# KiCad board SawnsProjectAlice.kicad_pcb
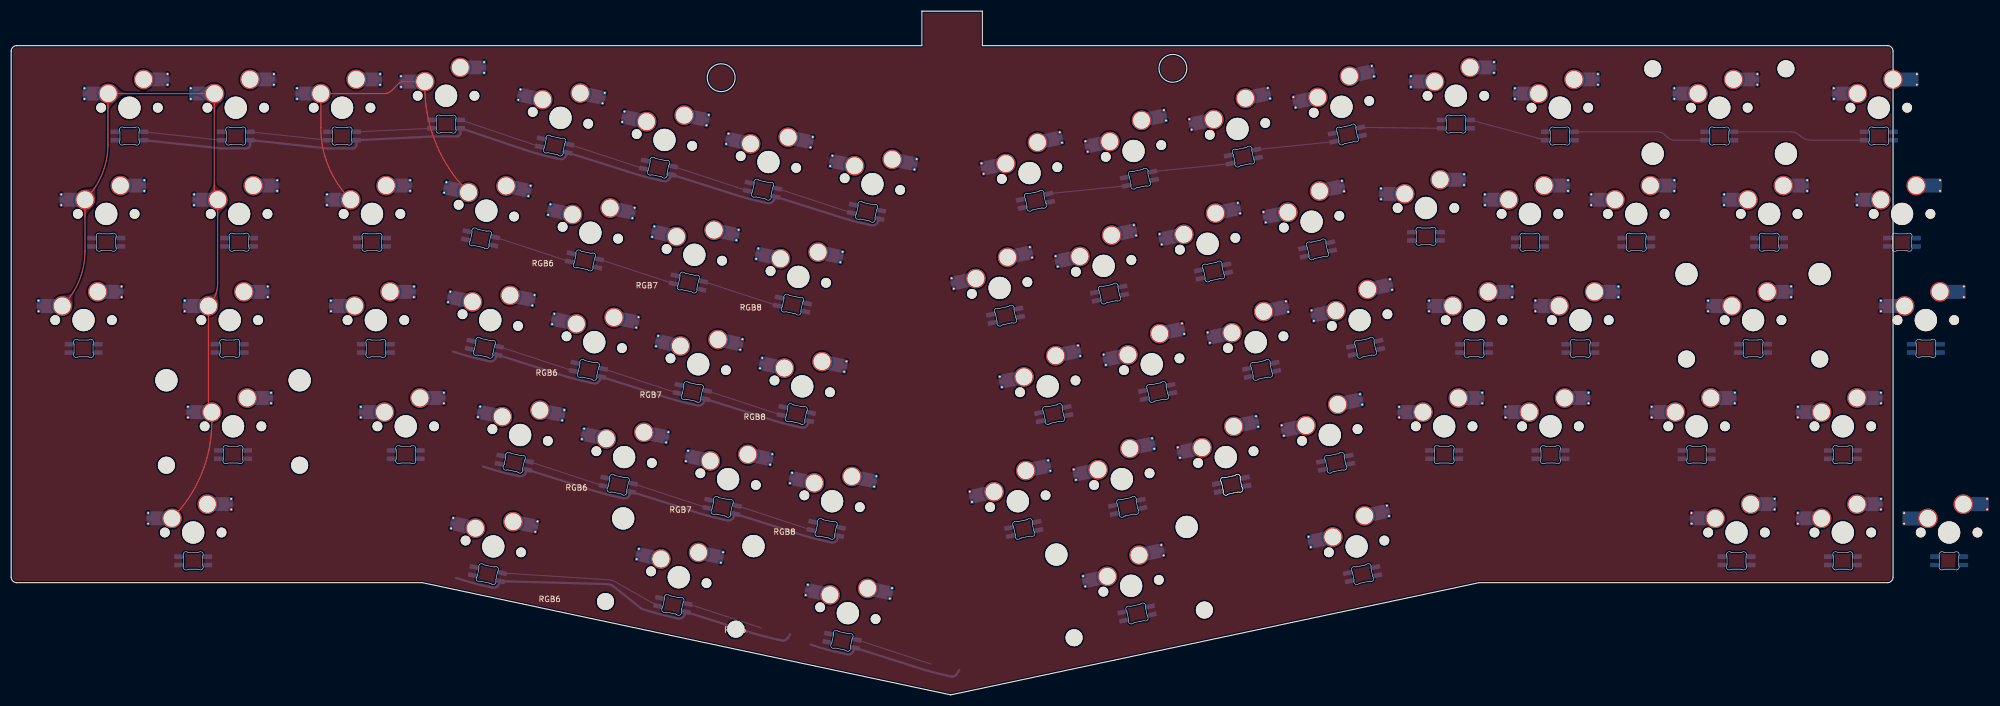
[diagram p0: board, top side]
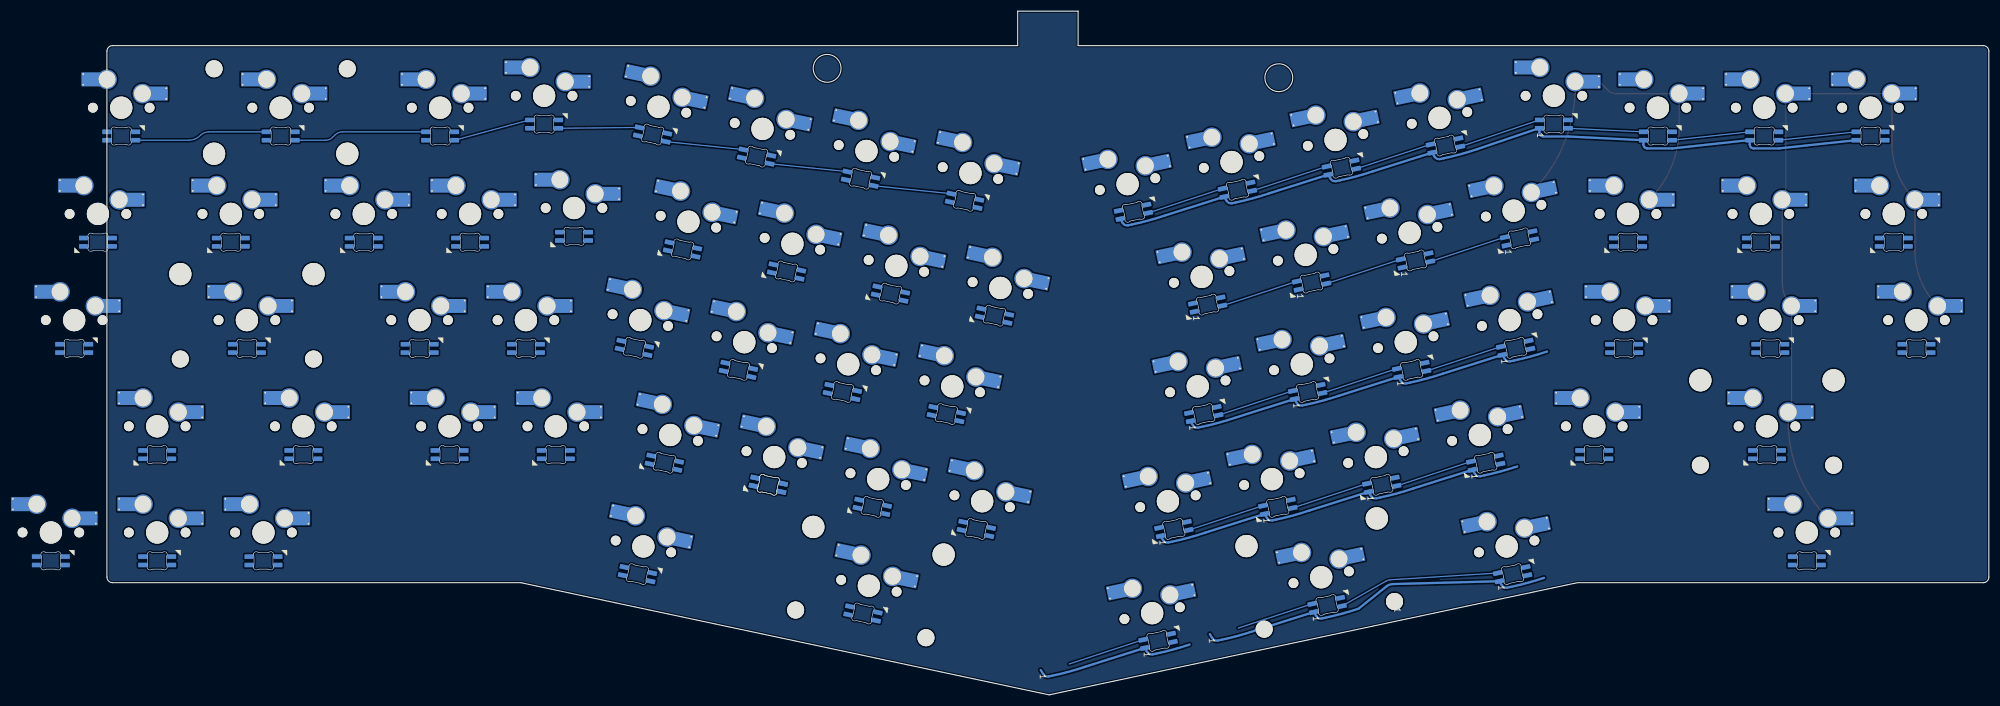
[diagram p1: board, bottom side, seen from below]

Outline 349.04 x 122.65 mm; copper layers: Top, Bottom. Coordinates in mm from the lower left corner of the outline.
Outline path: circle c127.24,110.71 r2.5 ; circle c208.18,112.39 r2.5 ; 0,115.46 arc(0.29,116.17) 1,116.46 163.2,116.46 163.2,122.65 174.04,122.65 174.04,116.46 336.24,116.46 arc(336.95,116.17) 337.24,115.46 337.24,21.12 arc(336.95,20.42) 336.24,20.12 263.05,20.12 168.37,0 73.69,20.12 1,20.12 arc(0.29,20.42) 0,21.12 0,115.46
Stack: Top 0.035mm / dielectric 1.51mm FR4 er 4.5 / Bottom 0.035mm

## Placement (name value [footprint] x y rotation side)
K_0  1U  [MXOnly-1U-Hotswap-Sawns]  238.4 105.48 12 top
K_1  1U  [MXOnly-1U-Hotswap-Sawns]  59.3 105.32 0 top
K_2  1U  [MXOnly-1U-Hotswap-Sawns]  77.94 107.46 0 top
K_3  1U  [MXOnly-1U-Hotswap-Sawns]  98.44 103.5 348 top
K_4  1U  [MXOnly-1U-Hotswap-Sawns]  117.07 99.54 348 top
K_5  1U  [MXOnly-1U-Hotswap-Sawns]  135.71 95.58 348 top
K_6  1U  [MXOnly-1U-Hotswap-Sawns]  154.34 91.62 348 top
K_7  1U  [MXOnly-1U-Hotswap-Sawns]  182.5 93.6 12 top
K_8  1U  [MXOnly-1U-Hotswap-Sawns]  201.13 97.56 12 top
K_9  1U  [MXOnly-1U-Hotswap-Sawns]  219.77 101.52 12 top
K_'1  1U  [MXOnly-1U-Hotswap-Sawns]  281.21 67.22 0 top
K_+1  1U  [MXOnly-1U-Hotswap-Sawns]  277.53 105.32 0 top
K_,1  1U  [MXOnly-1U-Hotswap-Sawns]  217.67 42.65 12 top
K_-_1  1U  [MXOnly-1U-Hotswap-Sawns]  258.9 107.46 0 top
K_.1  1U  [MXOnly-1U-Hotswap-Sawns]  236.3 46.61 12 top
K_/?/1  1U  [MXOnly-1U-Hotswap-Sawns]  256.8 48.17 0 top
K_;1  1U  [MXOnly-1U-Hotswap-Sawns]  262.16 67.22 0 top
K_]}1  1U  [MXOnly-1U-Hotswap-Sawns]  291.22 86.27 0 top
K_`1  1U  [MXOnly-1U-Hotswap-Sawns]  40.25 105.32 0 top
K_A1  1U  [MXOnly-1U-Hotswap-Sawns]  65.36 67.22 0 top
K_Alt1  1.25U  [MXOnly-1.25U-Hotswap-Sawns]  86.4 26.62 348 top
K_B1  1U  [MXOnly-1U-Hotswap-Sawns]  147.11 34.73 348 top
K_BkSp1  2U  [MXOnly-2U-Hotswap-Sawns]  306.11 105.32 0 top
K_C1  1U  [MXOnly-1U-Hotswap-Sawns]  109.84 42.65 348 top
K_CapLk1  MX-1U-MX_Alps_Hybrids  [MXOnly-1.75U-Hotswap-Sawns]  39.16 67.22 0 top
K_D1  1U  [MXOnly-1U-Hotswap-Sawns]  104.49 63.26 348 top
K_Delete2  1U  [MXOnly-1U-Hotswap-Sawns]  334.68 105.32 0 top
K_Down1  1U  [MXOnly-1U-Hotswap-Sawns]  328.24 29.12 0 top
K_E1  1U  [MXOnly-1U-Hotswap-Sawns]  103.79 82.89 348 top
K_Enter1  2.25U  [MXOnly-2.25U-Hotswap-ReversedStabilizers-Sawns]  312.16 67.22 0 top
K_ESC1  1U  [MXOnly-1U-Hotswap-Sawns]  21.2 105.32 0 top
K_ESC2  1U  [MXOnly-1U-Hotswap-Sawns]  338.85 86.27 0 top
K_ESC3  1U  [MXOnly-1U-Hotswap-Sawns]  343.12 67.22 0 top
K_F1  1U  [MXOnly-1U-Hotswap-Sawns]  123.13 59.3 348 top
K_G1  1U  [MXOnly-1U-Hotswap-Sawns]  141.76 55.34 348 top
K_H1  1U  [MXOnly-1U-Hotswap-Sawns]  185.76 55.34 12 top
K_I1  1U  [MXOnly-1U-Hotswap-Sawns]  214.41 80.91 12 top
K_J1  1U  [MXOnly-1U-Hotswap-Sawns]  204.39 59.3 12 top
K_K1  1U  [MXOnly-1U-Hotswap-Sawns]  223.03 63.26 12 top
K_L1  1U  [MXOnly-1U-Hotswap-Sawns]  241.66 67.22 12 top
K_LControl1  1.5U  [MXOnly-1.5U-Hotswap-Sawns]  32.62 29.12 0 top
K_LEFT1  1U  [MXOnly-1U-Hotswap-Sawns]  309.19 29.12 0 top
K_LShift1  MX-1U-MX_Alps_Hybrids  [MXOnly-2.25U-Hotswap-ReversedStabilizers-Sawns]  39.76 48.17 0 top
K_M1  1U  [MXOnly-1U-Hotswap-Sawns]  199.03 38.69 12 top
K_N1  1U  [MXOnly-1U-Hotswap-Sawns]  180.4 34.73 12 top
K_O1  1U  [MXOnly-1U-Hotswap-Sawns]  233.04 84.87 12 top
K_P1  1U  [MXOnly-1U-Hotswap-Sawns]  253.54 87.33 0 top
K_PgDn1  1U  [MXOnly-1U-Hotswap-Sawns]  12.97 67.22 0 top
K_PgUp1  1U  [MXOnly-1U-Hotswap-Sawns]  17.04 86.27 0 top
K_Q1  1U  [MXOnly-1U-Hotswap-Sawns]  64.66 86.27 0 top
K_R1  1U  [MXOnly-1U-Hotswap-Sawns]  122.43 78.93 348 top
K_RIGHT1  1U  [MXOnly-1U-Hotswap-Sawns]  347.29 29.12 0 top
K_RShift1  1.75U  [MXOnly-1.75U-Hotswap-Sawns]  302.04 48.17 0 top
K_RSHIFT3  1U  [MXOnly-1U-Hotswap-Sawns]  275.85 48.17 0 top
K_S1  1U  [MXOnly-1U-Hotswap-Sawns]  85.86 67.22 348 top
K_T1  1U  [MXOnly-1U-Hotswap-Sawns]  141.06 74.97 348 top
K_Tab1  1.5U  [MXOnly-1.5U-Hotswap-Sawns]  40.85 86.27 0 top
K_U1  1U  [MXOnly-1U-Hotswap-Sawns]  195.77 76.95 12 top
K_UP1  1U  [MXOnly-1U-Hotswap-Sawns]  328.24 48.17 0 top
K_V1  1U  [MXOnly-1U-Hotswap-Sawns]  128.48 38.69 348 top
K_W1  1U  [MXOnly-1U-Hotswap-Sawns]  85.16 86.85 348 top
K_X1  1U  [MXOnly-1U-Hotswap-Sawns]  91.21 46.61 348 top
K_Y1  1U  [MXOnly-1U-Hotswap-Sawns]  177.14 72.99 12 top
K_Z1  1U  [MXOnly-1U-Hotswap-Sawns]  70.71 48.17 0 top
K_{[1  1U  [MXOnly-1U-Hotswap-Sawns]  272.17 86.27 0 top
K_|\1  1.5U  [MXOnly-1.5U-Hotswap-Sawns]  315.04 86.27 0 top
MX1  2U  [MXOnly-2U-Hotswap-ReversedStabilizers-Sawns]  119.64 21.1 348 top
MX2  MX-1U-MX_Alps_Hybrids  [MXOnly-1U-Hotswap-Sawns]  149.94 14.66 348 top
MX3  2.75U  [MXOnly-2.75U-Hotswap-ReversedStabilizers-Sawns]  200.7 19.56 12 top
MX4  MX-1U-MX_Alps_Hybrids  [MXOnly-1U-Hotswap-Sawns]  241.11 26.62 12 top
RGB1  SK6812 Mini E  [MX_SK6812MINI-E_REV]  21.2 105.32 0 top
RGB2  SK6812 Mini E  [MX_SK6812MINI-E_REV]  40.25 105.32 0 top
RGB3  SK6812 Mini E  [MX_SK6812MINI-E_REV]  59.3 105.32 0 top
RGB4  SK6812 Mini E  [MX_SK6812MINI-E_REV]  77.94 107.46 0 top
RGB5  SK6812 Mini E  [MX_SK6812MINI-E_REV]  98.44 103.5 348 top
RGB6  SK6812 Mini E  [MX_SK6812MINI-E_REV]  117.07 99.54 348 top
RGB7  SK6812 Mini E  [MX_SK6812MINI-E_REV]  135.71 95.58 348 top
RGB8  SK6812 Mini E  [MX_SK6812MINI-E_REV]  154.34 91.62 348 top
RGB9  SK6812 Mini E  [MX_SK6812MINI-E_REV]  182.5 93.6 12 top
RGB10  SK6812 Mini E  [MX_SK6812MINI-E_REV]  201.13 97.56 12 top
RGB11  SK6812 Mini E  [MX_SK6812MINI-E_REV]  219.77 101.52 12 top
RGB12  SK6812 Mini E  [MX_SK6812MINI-E_REV]  238.4 105.48 12 top
RGB13  SK6812 Mini E  [MX_SK6812MINI-E_REV]  258.9 107.46 0 top
RGB14  SK6812 Mini E  [MX_SK6812MINI-E_REV]  277.53 105.32 0 top
RGB15  SK6812 Mini E  [MX_SK6812MINI-E_REV]  306.11 105.32 0 top
RGB16  SK6812 Mini E  [MX_SK6812MINI-E_REV]  334.68 105.32 0 top
RGB17  SK6812 Mini E  [MX_SK6812MINI-E_REV]  12.97 67.22 0 top
RGB18  SK6812 Mini E  [MX_SK6812MINI-E_REV]  39.16 67.22 0 top
RGB19  SK6812 Mini E  [MX_SK6812MINI-E_REV]  65.36 67.22 0 top
RGB20  SK6812 Mini E  [MX_SK6812MINI-E_REV]  85.86 67.22 348 top
RGB21  SK6812 Mini E  [MX_SK6812MINI-E_REV]  104.49 63.26 348 top
RGB22  SK6812 Mini E  [MX_SK6812MINI-E_REV]  123.13 59.3 348 top
RGB23  SK6812 Mini E  [MX_SK6812MINI-E_REV]  141.76 55.34 348 top
RGB24  SK6812 Mini E  [MX_SK6812MINI-E_REV]  185.76 55.34 12 top
RGB25  SK6812 Mini E  [MX_SK6812MINI-E_REV]  204.39 59.3 12 top
RGB26  SK6812 Mini E  [MX_SK6812MINI-E_REV]  223.03 63.26 12 top
RGB27  SK6812 Mini E  [MX_SK6812MINI-E_REV]  241.66 67.22 12 top
RGB28  SK6812 Mini E  [MX_SK6812MINI-E_REV]  262.16 67.22 0 top
RGB29  SK6812 Mini E  [MX_SK6812MINI-E_REV]  281.21 67.22 0 top
RGB30  SK6812 Mini E  [MX_SK6812MINI-E_REV]  312.16 67.22 0 top
RGB31  SK6812 Mini E  [MX_SK6812MINI-E_REV]  343.12 67.22 0 top
RGB32  SK6812 Mini E  [MX_SK6812MINI-E_REV]  32.62 29.12 0 top
RGB33  SK6812 Mini E  [MX_SK6812MINI-E_REV]  86.4 26.62 348 top
RGB34  SK6812 Mini E  [MX_SK6812MINI-E_REV]  119.64 21.1 348 top
RGB35  SK6812 Mini E  [MX_SK6812MINI-E_REV]  149.94 14.66 348 top
RGB36  SK6812 Mini E  [MX_SK6812MINI-E_REV]  200.7 19.56 12 top
RGB37  SK6812 Mini E  [MX_SK6812MINI-E_REV]  241.11 26.62 12 top
RGB38  SK6812 Mini E  [MX_SK6812MINI-E_REV]  309.19 29.12 0 top
RGB39  SK6812 Mini E  [MX_SK6812MINI-E_REV]  328.24 29.12 0 top
RGB40  SK6812 Mini E  [MX_SK6812MINI-E_REV]  347.29 29.12 0 top
RGBRV1  SK6812 Mini E  [MX_SK6812MINI-E]  338.85 86.27 0 top
RGBRV2  SK6812 Mini E  [MX_SK6812MINI-E]  315.04 86.27 0 top
RGBRV3  SK6812 Mini E  [MX_SK6812MINI-E]  291.22 86.27 0 top
RGBRV4  SK6812 Mini E  [MX_SK6812MINI-E]  272.17 86.27 0 top
RGBRV5  SK6812 Mini E  [MX_SK6812MINI-E]  253.54 87.33 0 top
RGBRV6  SK6812 Mini E  [MX_SK6812MINI-E]  233.04 84.87 12 top
RGBRV7  SK6812 Mini E  [MX_SK6812MINI-E]  214.41 80.91 12 top
RGBRV8  SK6812 Mini E  [MX_SK6812MINI-E]  195.77 76.95 12 top
RGBRV9  SK6812 Mini E  [MX_SK6812MINI-E]  177.14 72.99 12 top
RGBRV10  SK6812 Mini E  [MX_SK6812MINI-E]  141.06 74.97 348 top
RGBRV11  SK6812 Mini E  [MX_SK6812MINI-E]  122.43 78.93 348 top
RGBRV12  SK6812 Mini E  [MX_SK6812MINI-E]  103.79 82.89 348 top
RGBRV13  SK6812 Mini E  [MX_SK6812MINI-E]  85.16 86.85 348 top
RGBRV14  SK6812 Mini E  [MX_SK6812MINI-E]  64.66 86.27 0 top
RGBRV15  SK6812 Mini E  [MX_SK6812MINI-E]  40.85 86.27 0 top
RGBRV16  SK6812 Mini E  [MX_SK6812MINI-E]  17.04 86.27 0 top
RGBRV18  SK6812 Mini E  [MX_SK6812MINI-E]  39.76 48.17 0 top
RGBRV19  SK6812 Mini E  [MX_SK6812MINI-E]  70.71 48.17 0 top
RGBRV20  SK6812 Mini E  [MX_SK6812MINI-E]  91.21 46.61 348 top
RGBRV21  SK6812 Mini E  [MX_SK6812MINI-E]  109.84 42.65 348 top
RGBRV22  SK6812 Mini E  [MX_SK6812MINI-E]  128.48 38.69 348 top
RGBRV23  SK6812 Mini E  [MX_SK6812MINI-E]  147.11 34.73 348 top
RGBRV24  SK6812 Mini E  [MX_SK6812MINI-E]  180.4 34.73 12 top
RGBRV25  SK6812 Mini E  [MX_SK6812MINI-E]  199.03 38.69 12 top
RGBRV26  SK6812 Mini E  [MX_SK6812MINI-E]  217.67 42.65 12 top
RGBRV27  SK6812 Mini E  [MX_SK6812MINI-E]  217.67 42.65 12 top
RGBRV28  SK6812 Mini E  [MX_SK6812MINI-E]  236.3 46.61 12 top
RGBRV29  SK6812 Mini E  [MX_SK6812MINI-E]  256.8 48.17 0 top
RGBRV30  SK6812 Mini E  [MX_SK6812MINI-E]  275.85 48.17 0 top
RGBRV31  SK6812 Mini E  [MX_SK6812MINI-E]  302.04 48.17 0 top
RGBRV32  SK6812 Mini E  [MX_SK6812MINI-E]  328.24 48.17 0 top

## Library data of the parts
RGB1-RGB40 RGBRV1-RGBRV16 RGBRV18-RGBRV32 = -: Field4: 1

## Footprints (pads in the part's own frame, mm; a bottom-side part is the same pattern mirrored in y, then rotated)
MX_SK6812MINI-E
  rrect 1.6x0.82 smd far side: 1(-2.6,-4.33) 2(-2.6,-5.83) 3(2.6,-5.83) 4(2.6,-4.33)
MX_SK6812MINI-E_REV
  rrect 1.6x0.82 smd far side: 1(2.6,-5.83) 2(2.6,-4.33) 3(-2.6,-4.33) 4(-2.6,-5.83)
MXOnly-1.5U-Hotswap-Sawns
  rect 2.55x2.5 smd: (-7.085,2.54) (5.842,5.08)
  round 1.75 hole 1.75 unplated: (-5.08,0) (5.08,0)
  round 3.988 hole 3.988 unplated: (0,0)
  round 0.5 hole 0.3: 1(-8.065,3.493) 1(-8.065,1.587) 2(6.822,6.032) 2(6.822,4.128)
  rect 3.82x2.5 smd far side: 1(-6.45,2.54) 2(5.207,5.08)
  round 3.5 hole 3: 1(-3.81,2.54) 2(2.54,5.08)
MXOnly-1.25U-Hotswap-Sawns
  rect 2.55x2.5 smd: (-7.085,2.54) (5.842,5.08)
  round 1.75 hole 1.75 unplated: (-5.08,0) (5.08,0)
  round 3.988 hole 3.988 unplated: (0,0)
  round 0.5 hole 0.3: 1(-8.065,3.493) 1(-8.065,1.587) 2(6.822,6.032) 2(6.822,4.128)
  rect 3.82x2.5 smd far side: 1(-6.45,2.54) 2(5.207,5.08)
  round 3.5 hole 3: 1(-3.81,2.54) 2(2.54,5.08)
MXOnly-1.75U-Hotswap-Sawns
  rect 2.55x2.5 smd: (-7.085,2.54) (5.842,5.08)
  round 1.75 hole 1.75 unplated: (-5.08,0) (5.08,0)
  round 3.988 hole 3.988 unplated: (0,0)
  round 0.5 hole 0.3: 1(-8.065,3.493) 1(-8.065,1.587) 2(6.822,6.032) 2(6.822,4.128)
  rect 3.82x2.5 smd far side: 1(-6.45,2.54) 2(5.207,5.08)
  round 3.5 hole 3: 1(-3.81,2.54) 2(2.54,5.08)
MXOnly-1U-Hotswap-Sawns
  rect 2.55x2.5 smd: (-7.085,2.54) (5.842,5.08)
  round 1.75 hole 1.75 unplated: (-5.08,0) (5.08,0)
  round 3.988 hole 3.988 unplated: (0,0)
  round 0.5 hole 0.3: 1(-8.065,3.493) 1(-8.065,1.587) 2(6.822,6.032) 2(6.822,4.128)
  rect 3.82x2.5 smd far side: 1(-6.45,2.54) 2(5.207,5.08)
  round 3.5 hole 3: 1(-3.81,2.54) 2(2.54,5.08)
MXOnly-2.25U-Hotswap-ReversedStabilizers-Sawns
  round 3.988 hole 3.988 unplated: (-11.938,8.255) (0,0) (11.938,8.255)
  round 3.048 hole 3.048 unplated: (-11.938,-6.985) (11.938,-6.985)
  rect 2.55x2.5 smd: (-7.085,2.54) (5.842,5.08)
  round 1.75 hole 1.75 unplated: (-5.08,0) (5.08,0)
  round 0.5 hole 0.3: 1(-8.065,3.493) 1(-8.065,1.587) 2(6.822,6.032) 2(6.822,4.128)
  rect 3.82x2.5 smd far side: 1(-6.45,2.54) 2(5.207,5.08)
  round 3.5 hole 3: 1(-3.81,2.54) 2(2.54,5.08)
MXOnly-2.75U-Hotswap-ReversedStabilizers-Sawns
  round 3.988 hole 3.988 unplated: (-11.938,8.255) (0,0) (11.938,8.255)
  round 3.048 hole 3.048 unplated: (-11.938,-6.985) (11.938,-6.985)
  rect 2.55x2.5 smd: (-7.085,2.54) (5.842,5.08)
  round 1.75 hole 1.75 unplated: (-5.08,0) (5.08,0)
  round 0.5 hole 0.3: 1(-8.065,3.493) 1(-8.065,1.587) 2(6.822,6.032) 2(6.822,4.128)
  rect 3.82x2.5 smd far side: 1(-6.45,2.54) 2(5.207,5.08)
  round 3.5 hole 3: 1(-3.81,2.54) 2(2.54,5.08)
MXOnly-2U-Hotswap-ReversedStabilizers-Sawns
  round 3.988 hole 3.988 unplated: (-11.938,8.255) (0,0) (11.938,8.255)
  round 3.048 hole 3.048 unplated: (-11.938,-6.985) (11.938,-6.985)
  rect 2.55x2.5 smd: (-7.085,2.54) (5.842,5.08)
  round 1.75 hole 1.75 unplated: (-5.08,0) (5.08,0)
  round 0.5 hole 0.3: 1(-8.065,3.493) 1(-8.065,1.587) 2(6.822,6.032) 2(6.822,4.128)
  rect 3.82x2.5 smd far side: 1(-6.45,2.54) 2(5.207,5.08)
  round 3.5 hole 3: 1(-3.81,2.54) 2(2.54,5.08)
MXOnly-2U-Hotswap-Sawns
  round 3.048 hole 3.048 unplated: (-11.938,6.985) (11.938,6.985)
  round 3.988 hole 3.988 unplated: (-11.938,-8.255) (0,0) (11.938,-8.255)
  rect 2.55x2.5 smd: (-7.085,2.54) (5.842,5.08)
  round 1.75 hole 1.75 unplated: (-5.08,0) (5.08,0)
  round 0.5 hole 0.3: 1(-8.065,3.493) 1(-8.065,1.587) 2(6.822,6.032) 2(6.822,4.128)
  rect 3.82x2.5 smd far side: 1(-6.45,2.54) 2(5.207,5.08)
  round 3.5 hole 3: 1(-3.81,2.54) 2(2.54,5.08)

## Nets
+5V: RGB1.1 RGB2.1 RGB3.1 RGB4.1 RGB5.1 RGB6.1 RGB7.1 RGB8.1 RGB9.1 RGB10.1 RGB11.1 RGB12.1 RGB13.1 RGB14.1 RGB15.1 RGB16.1 RGB17.1 RGB18.1 RGB19.1 RGB20.1 RGB21.1 RGB22.1 RGB23.1 RGB24.1 RGB25.1 RGB26.1 RGB27.1 RGB28.1 RGB29.1 RGB30.1 RGB31.1 RGB32.1 RGB33.1 RGB34.1 RGB35.1 RGB36.1 RGB37.1 RGB38.1 RGB39.1 RGB40.1 RGBRV1.1 RGBRV2.1 RGBRV3.1 RGBRV4.1 RGBRV5.1 RGBRV6.1 RGBRV7.1 RGBRV8.1 RGBRV9.1 RGBRV10.1 RGBRV11.1 RGBRV12.1 RGBRV13.1 RGBRV14.1 RGBRV15.1 RGBRV16.1 RGBRV18.1 RGBRV19.1 RGBRV20.1 RGBRV21.1 RGBRV22.1 RGBRV23.1 RGBRV24.1 RGBRV25.1 RGBRV26.1 RGBRV27.1 RGBRV28.1 RGBRV29.1 RGBRV30.1 RGBRV31.1 RGBRV32.1
GND: RGB1.3 RGB2.3 RGB3.3 RGB4.3 RGB5.3 RGB6.3 RGB7.3 RGB8.3 RGB9.3 RGB10.3 RGB11.3 RGB12.3 RGB13.3 RGB14.3 RGB15.3 RGB16.3 RGB17.3 RGB18.3 RGB19.3 RGB20.3 RGB21.3 RGB22.3 RGB23.3 RGB24.3 RGB25.3 RGB26.3 RGB27.3 RGB28.3 RGB29.3 RGB30.3 RGB31.3 RGB32.3 RGB33.3 RGB34.3 RGB35.3 RGB36.3 RGB37.3 RGB38.3 RGB39.3 RGB40.3 RGBRV1.3 RGBRV2.3 RGBRV3.3 RGBRV4.3 RGBRV5.3 RGBRV6.3 RGBRV7.3 RGBRV8.3 RGBRV9.3 RGBRV10.3 RGBRV11.3 RGBRV12.3 RGBRV13.3 RGBRV14.3 RGBRV15.3 RGBRV16.3 RGBRV18.3 RGBRV19.3 RGBRV20.3 RGBRV21.3 RGBRV22.3 RGBRV23.3 RGBRV24.3 RGBRV25.3 RGBRV26.3 RGBRV27.3 RGBRV28.3 RGBRV29.3 RGBRV30.3 RGBRV31.3 RGBRV32.3
Net-(D1-Pad2): K_PgUp1.2
Net-(D2-Pad2): K_`1.2
Net-(D3-Pad2): K_ESC1.2
Net-(D5-Pad2): K_1.2
Net-(D6-Pad2): K_Tab1.2
Net-(D7-Pad2): K_CapLk1.2
Net-(D8-Pad2): K_LShift1.2
Net-(D9-Pad2): K_LControl1.2
Net-(D10-Pad2): K_2.2
Net-(D11-Pad2): K_Q1.2
Net-(D12-Pad2): K_A1.2
Net-(D13-Pad2): K_Z1.2
Net-(D14-Pad2): K_Delete2.2
Net-(D15-Pad2): K_3.2
Net-(D16-Pad2): K_W1.2
Net-(D17-Pad2): K_S1.2
Net-(D18-Pad2): K_X1.2
Net-(D19-Pad2): K_Alt1.2
Net-(D20-Pad2): K_4.2
Net-(D21-Pad2): K_E1.2
Net-(D22-Pad2): K_D1.2
Net-(D23-Pad2): K_C1.2
Net-(D24-Pad2): MX1.2
Net-(D25-Pad2): K_5.2
Net-(D26-Pad2): K_R1.2
Net-(D27-Pad2): K_F1.2
Net-(D28-Pad2): K_V1.2
Net-(D29-Pad2): MX2.2
Net-(D30-Pad2): K_6.2
Net-(D31-Pad2): K_T1.2
Net-(D32-Pad2): K_G1.2
Net-(D33-Pad2): K_B1.2
Net-(D34-Pad2): K_7.2
Net-(D35-Pad2): K_Y1.2
Net-(D36-Pad2): K_H1.2
Net-(D37-Pad2): K_N1.2
Net-(D38-Pad2): K_8.2
Net-(D39-Pad2): K_U1.2
Net-(D40-Pad2): K_J1.2
Net-(D41-Pad2): K_M1.2
Net-(D42-Pad2): MX3.2
Net-(D43-Pad2): K_9.2
Net-(D44-Pad2): K_I1.2
Net-(D45-Pad2): K_K1.2
Net-(D46-Pad2): K_,1.2
Net-(D47-Pad2): K_0.2
Net-(D48-Pad2): K_O1.2
Net-(D49-Pad2): K_L1.2
Net-(D50-Pad2): K_.1.2
Net-(D51-Pad2): MX4.2
Net-(D52-Pad2): K_-_1.2
Net-(D53-Pad2): K_P1.2
Net-(D54-Pad2): K_;1.2
Net-(D55-Pad2): K_/?/1.2
Net-(D56-Pad2): K_+1.2
Net-(D57-Pad2): K_{[1.2
Net-(D58-Pad2): K_'1.2
Net-(D59-Pad2): K_RSHIFT3.2
Net-(D60-Pad2): K_BkSp1.2
Net-(D61-Pad2): K_]}1.2
Net-(D63-Pad2): K_RShift1.2
Net-(D64-Pad2): K_ESC3.2
Net-(D65-Pad2): K_|\1.2
Net-(D66-Pad2): K_Enter1.2
Net-(D67-Pad2): K_UP1.2
Net-(D68-Pad2): K_Down1.2
Net-(D69-Pad2): K_LEFT1.2
Net-(D70-Pad2): K_RIGHT1.2
Net-(K_1-Pad1): K_1.1 K_2.1 K_A1.1 K_Alt1.1 K_Q1.1 K_S1.1 K_W1.1 K_X1.1 K_Z1.1
Net-(K_3-Pad1): K_3.1 K_4.1 K_C1.1 K_D1.1 K_E1.1 K_F1.1 K_R1.1 K_V1.1 MX1.1
Net-(K_5-Pad1): K_5.1 K_6.1 K_B1.1 K_G1.1 K_H1.1 K_N1.1 K_T1.1 K_Y1.1 MX2.1
Net-(K_'1-Pad1): K_'1.1 K_+1.1 K_-_1.1 K_]}1.1 K_RShift1.1 K_RSHIFT3.1 K_{[1.1
Net-(K_,1-Pad1): K_7.1 K_8.1 K_,1.1 K_I1.1 K_J1.1 K_K1.1 K_M1.1 K_U1.1 MX3.1
Net-(K_.1-Pad1): K_0.1 K_9.1 K_.1.1 K_/?/1.1 K_;1.1 K_L1.1 K_O1.1 K_P1.1 MX4.1
Net-(K_BkSp1-Pad1): K_BkSp1.1 K_Delete2.1 K_Down1.1 K_Enter1.1 K_ESC2.1 K_ESC3.1 K_LEFT1.1 K_RIGHT1.1 K_UP1.1 K_|\1.1
Net-(K_CapLk1-Pad1): K_`1.1 K_CapLk1.1 K_ESC1.1 K_LControl1.1 K_LShift1.1 K_PgDn1.1 K_PgUp1.1 K_Tab1.1
Net-(RGB1-Pad2): RGB1.2 RGB2.4
Net-(RGB2-Pad2): RGB2.2 RGB3.4
Net-(RGB3-Pad2): RGB3.2 RGB4.4
Net-(RGB4-Pad2): RGB4.2 RGB5.4
Net-(RGB5-Pad2): RGB5.2 RGB6.4
Net-(RGB6-Pad2): RGB6.2 RGB7.4
Net-(RGB7-Pad2): RGB7.2 RGB8.4
Net-(RGB8-Pad2): RGB8.2 RGB9.4
Net-(RGB10-Pad2): RGB10.2 RGB11.4
Net-(RGB10-Pad4): RGB9.2 RGB10.4
Net-(RGB11-Pad2): RGB11.2 RGB12.4
Net-(RGB12-Pad2): RGB12.2 RGB13.4
Net-(RGB13-Pad2): RGB13.2 RGB14.4
Net-(RGB14-Pad2): RGB14.2 RGB15.4
Net-(RGB15-Pad2): RGB15.2 RGB16.4
Net-(RGB17-Pad2): RGB17.2 RGB18.4
Net-(RGB17-Pad4): RGB17.4 RGBRV16.2
Net-(RGB18-Pad2): RGB18.2 RGB19.4
Net-(RGB19-Pad2): RGB19.2 RGB20.4
Net-(RGB20-Pad2): RGB20.2 RGB21.4
Net-(RGB21-Pad2): RGB21.2 RGB22.4
Net-(RGB22-Pad2): RGB22.2 RGB23.4
Net-(RGB23-Pad2): RGB23.2 RGB24.4
Net-(RGB24-Pad2): RGB24.2 RGB25.4
Net-(RGB25-Pad2): RGB25.2 RGB26.4
Net-(RGB26-Pad2): RGB26.2 RGB27.4
Net-(RGB27-Pad2): RGB27.2 RGB28.4
Net-(RGB28-Pad2): RGB28.2 RGB29.4
Net-(RGB29-Pad2): RGB29.2 RGB30.4
Net-(RGB30-Pad2): RGB30.2 RGB31.4
Net-(RGB31-Pad2): RGB31.2 RGBRV32.4
Net-(RGB32-Pad2): RGB32.2 RGB33.4
Net-(RGB32-Pad4): RGB32.4 RGBRV18.2
Net-(RGB33-Pad2): RGB33.2 RGB34.4
Net-(RGB34-Pad2): RGB34.2 RGB35.4
Net-(RGB35-Pad2): RGB35.2 RGB36.4
Net-(RGB36-Pad2): RGB36.2 RGB37.4
Net-(RGB37-Pad2): RGB37.2 RGB38.4
Net-(RGB38-Pad2): RGB38.2 RGB39.4
Net-(RGB39-Pad2): RGB39.2 RGB40.4
Net-(RGBRV1-Pad2): RGBRV1.2 RGBRV2.4
Net-(RGBRV1-Pad4): RGB16.2 RGBRV1.4
Net-(RGBRV2-Pad2): RGBRV2.2 RGBRV3.4
Net-(RGBRV3-Pad2): RGBRV3.2 RGBRV4.4
Net-(RGBRV4-Pad2): RGBRV4.2 RGBRV5.4
Net-(RGBRV5-Pad2): RGBRV5.2 RGBRV6.4
Net-(RGBRV6-Pad2): RGBRV6.2 RGBRV7.4
Net-(RGBRV7-Pad2): RGBRV7.2 RGBRV8.4
Net-(RGBRV8-Pad2): RGBRV8.2 RGBRV9.4
Net-(RGBRV10-Pad2): RGBRV10.2 RGBRV11.4
Net-(RGBRV10-Pad4): RGBRV9.2 RGBRV10.4
Net-(RGBRV11-Pad2): RGBRV11.2 RGBRV12.4
Net-(RGBRV12-Pad2): RGBRV12.2 RGBRV13.4
Net-(RGBRV13-Pad2): RGBRV13.2 RGBRV14.4
Net-(RGBRV14-Pad2): RGBRV14.2 RGBRV15.4
Net-(RGBRV15-Pad2): RGBRV15.2 RGBRV16.4
Net-(RGBRV18-Pad4): RGBRV18.4 RGBRV19.2
Net-(RGBRV19-Pad4): RGBRV19.4 RGBRV20.2
Net-(RGBRV20-Pad4): RGBRV20.4 RGBRV21.2
Net-(RGBRV21-Pad4): RGBRV21.4 RGBRV22.2
Net-(RGBRV22-Pad4): RGBRV22.4 RGBRV23.2
Net-(RGBRV23-Pad4): RGBRV23.4 RGBRV24.2
Net-(RGBRV24-Pad4): RGBRV24.4 RGBRV25.2
Net-(RGBRV25-Pad4): RGBRV25.4 RGBRV26.2
Net-(RGBRV26-Pad4): RGBRV26.4 RGBRV27.2
Net-(RGBRV27-Pad4): RGBRV27.4 RGBRV28.2
Net-(RGBRV28-Pad4): RGBRV28.4 RGBRV29.2
Net-(RGBRV29-Pad4): RGBRV29.4 RGBRV30.2
Net-(RGBRV30-Pad4): RGBRV30.4 RGBRV31.2
Net-(RGBRV31-Pad4): RGBRV31.4 RGBRV32.2

Pads without a net: K_ESC2 2; K_PgDn1 2; RGB1 4; RGB40 2

## Routing (per net, layer and track width the routed paths; a pad name or vN(x,y) marks a point on that pad's centre or on a via; arc(x,y) is an arc through that point)
+5V: length 302.8
  Bottom w0.4: RGB1.1 37.64,98.02 42.16,98.02 arc(42.42,98.07) 42.64,98.22 arc(42.8,98.45) 42.85,98.72 RGB2.1 ; RGB23.1 142.63,48.35 arc(142.22,48) 141.68,47.94 141.03,48.08 arc(138.02,48.8) 135.07,49.7 RGB22.1 124,52.31 arc(123.58,51.96) 123.04,51.9 122.39,52.04 arc(119.39,52.76) 116.44,53.67 RGB21.1 105.36,56.27 arc(104.95,55.92) 104.41,55.87 103.76,56 arc(100.76,56.72) 97.8,57.63 RGB20.1 86.73,60.23 arc(86.32,59.88) 85.78,59.83 85.13,59.96 arc(82.12,60.68) 79.17,61.59 ; 169.9,4.45 169.44,3.71 arc(169.03,3.35) 168.49,3.3 167.83,3.43 arc(164.83,4.16) 161.88,5.06 RGB35.1 150.8,7.67 arc(150.39,7.31) 149.85,7.26 149.2,7.39 arc(146.2,8.12) 143.25,9.02 ; 139.6,10.89 139.14,10.15 arc(138.73,9.79) 138.19,9.74 137.54,9.87 arc(134.54,10.6) 131.58,11.5 RGB34.1 120.51,14.11 arc(120.09,13.75) 119.55,13.7 118.9,13.83 arc(115.9,14.56) 112.95,15.46 107.96,19.44 arc(107.4,19.75) 106.77,19.87 RGB33.1 87.27,19.63 arc(86.86,19.28) 86.32,19.23 85.67,19.36 arc(82.66,20.08) 79.71,20.99 ; RGB4.1 80.54,100.86 arc(80.49,100.59) 80.33,100.36 arc(80.11,100.21) 79.85,100.16 75.33,100.16 RGB3.1 61.9,98.72 arc(61.85,98.45) 61.69,98.22 arc(61.47,98.07) 61.21,98.02 56.69,98.02 42.84,99.52 ; 80.53,101.67 91.75,97.87 arc(94.7,96.96) 97.71,96.24 98.36,96.11 arc(98.9,96.16) 99.31,96.51 RGB5.1 110.38,93.91 arc(113.34,93) 116.34,92.28 116.99,92.15 arc(117.53,92.2) 117.94,92.55 RGB6.1 129.02,89.95 arc(131.97,89.04) 134.97,88.32 135.62,88.18 arc(136.16,88.24) 136.58,88.59 RGB7.1 147.65,85.98 arc(150.6,85.08) 153.61,84.36 154.26,84.22 arc(154.8,84.28) 155.21,84.63 RGB8.1
GND: length 68.7
  Bottom w0.4: RGBRV23.3 147.98,27.74 arc(147.57,27.39) 147.03,27.33 146.38,27.47 arc(143.37,28.19) 140.42,29.09 RGBRV22.3 129.35,31.7 arc(128.93,31.35) 128.39,31.29 127.74,31.43 arc(124.74,32.15) 121.79,33.06 RGBRV21.3 110.71,35.66 arc(110.3,35.31) 109.76,35.26 109.11,35.39 arc(106.11,36.11) 103.15,37.02 RGBRV20.3 92.08,39.62 arc(91.67,39.27) 91.13,39.22 90.48,39.35 arc(87.47,40.07) 84.52,40.98
Net-(K_1-Pad1): length 61.8
  Top w0.2: K_W1.1 arc(76.17,98.81) 74.13,109.04 K_2.1 70.25,110 arc(69.82,109.92) 69.45,109.67 68.19,108.41 arc(67.58,108.01) 66.88,107.86 K_1.1 55.49,101.75 arc(56.88,94.75) K_Q1.1
Net-(K_CapLk1-Pad1): length 138.3
  Top w0.2: K_PgDn1.1 arc(12.17,74.27) 13.23,79.59 K_PgUp1.1 arc(16.28,93.37) 17.34,98.75 17.34,107.82 K_ESC1.1 K_`1.1 36.39,107.82 36.39,90.37 arc(36.56,89.53) K_Tab1.1 36.99,88.77 36.99,73.73 arc(36.57,71.58) K_CapLk1.1 35.35,52.16 arc(35.51,51.38) K_LShift1.1 35.95,48.9 arc(34.09,39.57) K_LControl1.1
Net-(RGB1-Pad2): length 13.9
  Bottom w0.2: RGB1.2 RGB2.4
Net-(RGB2-Pad2): length 13.9
  Bottom w0.2: RGB2.2 RGB3.4
Net-(RGB3-Pad2): length 13.5
  Bottom w0.2: RGB3.2 RGB4.4
Net-(RGB4-Pad2): length 14.9
  Bottom w0.2: RGB4.2 RGB5.4
Net-(RGB5-Pad2): length 13.9
  Bottom w0.2: RGB5.2 RGB6.4
Net-(RGB6-Pad2): length 13.9
  Bottom w0.2: RGB6.2 RGB7.4
Net-(RGB7-Pad2): length 13.9
  Bottom w0.2: RGB7.2 RGB8.4
Net-(RGB10-Pad2): length 13.9
  Bottom w0.2: RGB10.2 RGB11.4
Net-(RGB10-Pad4): length 13.9
  Bottom w0.2: RGB9.2 RGB10.4
Net-(RGB11-Pad2): length 13.9
  Bottom w0.2: RGB11.2 RGB12.4
Net-(RGB12-Pad2): length 14.5
  Bottom w0.2: RGB12.2 RGB13.4
Net-(RGB13-Pad2): length 13.9
  Bottom w0.2: RGB13.2 RGB14.4
Net-(RGB14-Pad2): length 23.8
  Bottom w0.2: RGB14.2 295.01,100.99 arc(295.76,100.85) 296.39,100.43 296.79,100.03 arc(297.38,99.63) 298.07,99.49 RGB15.4
Net-(RGB15-Pad2): length 23.8
  Bottom w0.2: RGB16.4 322.61,99.49 arc(321.46,99.72) 320.49,100.37 arc(319.8,100.83) 318.98,100.99 RGB15.2
Net-(RGB20-Pad2): length 13.9
  Bottom w0.2: RGB20.2 RGB21.4
Net-(RGB21-Pad2): length 13.9
  Bottom w0.2: RGB21.2 RGB22.4
Net-(RGB22-Pad2): length 13.9
  Bottom w0.2: RGB22.2 RGB23.4
Net-(RGB33-Pad2): length 29.1
  Bottom w0.2: RGB34.4 108.07,20.38 arc(107.65,20.56) 107.21,20.64 RGB33.2
Net-(RGB34-Pad2): length 13.9
  Bottom w0.2: RGB34.2 134.52,11.97
Net-(RGB35-Pad2): length 13.9
  Bottom w0.2: RGB35.2 164.81,5.53
Net-(RGBRV10-Pad2): length 13.9
  Bottom w0.2: RGBRV11.4 RGBRV10.2
Net-(RGBRV11-Pad2): length 13.9
  Bottom w0.2: RGBRV12.4 RGBRV11.2
Net-(RGBRV12-Pad2): length 13.9
  Bottom w0.2: RGBRV13.4 RGBRV12.2
Net-(RGBRV20-Pad4): length 13.9
  Bottom w0.2: RGBRV20.4 RGBRV21.2
Net-(RGBRV21-Pad4): length 13.9
  Bottom w0.2: RGBRV21.4 RGBRV22.2
Net-(RGBRV22-Pad4): length 13.9
  Bottom w0.2: RGBRV22.4 RGBRV23.2

## Copper pours and planes (outline as drawn; the poured copper is in the pictures)
(no net) on Top: 347.01,-7.59 -7.02,-4.57 -14.98,127.07 353.22,129.82
(no net) on Bottom: 355.93,22.74 146.52,-23.74 -58,1.21 -12.99,125.98 344.68,126.95
Net-(K_CapLk1-Pad1) on Top: 17.44,104.36 17.45,104.54 17.47,104.71 17.49,104.87 17.52,105.02 17.57,105.15 17.62,105.27 17.67,105.39 17.73,105.49 17.8,105.59 17.87,105.68 17.95,105.77 18.03,105.85 18.11,105.93 18.19,106.01 18.36,106.17 18.44,106.24 18.52,106.32 18.6,106.41 18.68,106.49 18.75,106.59 18.82,106.68 18.89,106.79 18.94,106.9 19,107.03 19.04,107.16 19.08,107.31 19.11,107.46 19.13,107.63 19.14,107.82 17.41,108.74 15.64,107.86 15.65,107.68 15.66,107.51 15.68,107.35 15.72,107.2 15.76,107.07 15.81,106.94 15.86,106.83 15.92,106.72 15.99,106.62 16.06,106.53 16.13,106.44 16.2,106.35 16.28,106.27 16.36,106.19 16.52,106.03 16.6,105.95 16.68,105.87 16.76,105.79 16.83,105.7 16.9,105.6 16.96,105.5 17.02,105.39 17.08,105.28 17.13,105.15 17.17,105.02 17.2,104.87 17.22,104.72 17.24,104.54 17.24,104.36
Net-(K_CapLk1-Pad1) on Top: 36.29,92.19 36.29,92.02 36.28,91.86 36.27,91.72 36.25,91.58 36.22,91.45 36.19,91.33 36.16,91.22 36.12,91.12 36.08,91.02 36.03,90.93 35.99,90.84 35.94,90.75 35.89,90.67 35.69,90.34 35.64,90.26 35.6,90.17 35.55,90.08 35.51,89.99 35.47,89.89 35.43,89.78 35.39,89.67 35.36,89.55 35.34,89.43 35.32,89.29 35.3,89.14 35.29,88.98 35.29,88.81 37.36,88 38.67,89.46 38.6,89.61 38.53,89.76 38.45,89.88 38.37,90 38.28,90.1 38.19,90.2 38.1,90.29 38.01,90.36 37.91,90.44 37.82,90.5 37.72,90.56 37.62,90.62 37.53,90.67 37.34,90.78 37.25,90.83 37.16,90.89 37.07,90.94 36.99,91 36.91,91.07 36.84,91.14 36.77,91.22 36.71,91.3 36.66,91.39 36.61,91.5 36.57,91.61 36.54,91.74 36.51,91.87 36.5,92.03 36.49,92.19
Net-(K_CapLk1-Pad1) on Top: 11.21,72.57 11.12,72.42 11.02,72.29 10.92,72.17 10.82,72.07 10.72,71.99 10.62,71.92 10.51,71.86 10.41,71.81 10.3,71.77 10.19,71.74 10.08,71.72 9.97,71.7 9.86,71.69 9.75,71.68 9.41,71.66 9.29,71.65 9.18,71.63 9.06,71.62 8.94,71.59 8.82,71.56 8.7,71.53 8.58,71.48 8.46,71.42 8.34,71.35 8.22,71.27 8.09,71.17 7.97,71.05 7.85,70.92 8.58,69.11 10.67,68.87 10.75,69.03 10.83,69.18 10.89,69.32 10.94,69.45 10.98,69.58 11.01,69.7 11.03,69.82 11.05,69.94 11.06,70.05 11.06,70.16 11.06,70.26 11.05,70.37 11.05,70.47 11.01,70.88 11,70.98 10.99,71.08 10.99,71.19 10.99,71.3 11,71.41 11.02,71.52 11.04,71.64 11.07,71.77 11.11,71.9 11.16,72.03 11.22,72.17 11.3,72.32 11.38,72.47
Net-(K_CapLk1-Pad1) on Top: 13.33,85.32 13.34,85.51 13.35,85.68 13.38,85.84 13.41,85.98 13.45,86.12 13.5,86.24 13.56,86.36 13.62,86.46 13.69,86.56 13.76,86.66 13.83,86.75 13.91,86.83 13.99,86.91 14.07,86.99 14.24,87.15 14.32,87.23 14.4,87.31 14.48,87.39 14.55,87.48 14.62,87.57 14.69,87.67 14.75,87.78 14.81,87.9 14.86,88.02 14.9,88.15 14.93,88.3 14.96,88.46 14.97,88.63 14.98,88.81 13.23,89.69 11.48,88.81 11.49,88.63 11.5,88.46 11.53,88.3 11.56,88.15 11.6,88.02 11.65,87.9 11.71,87.78 11.77,87.67 11.84,87.57 11.91,87.48 11.98,87.39 12.06,87.31 12.14,87.23 12.22,87.15 12.39,86.99 12.47,86.91 12.55,86.83 12.63,86.75 12.7,86.66 12.77,86.56 12.84,86.46 12.9,86.36 12.96,86.24 13.01,86.12 13.05,85.98 13.08,85.84 13.11,85.68 13.12,85.51 13.13,85.32
Net-(K_CapLk1-Pad1) on Top: 20.88,107.96 20.69,107.97 20.52,107.99 20.37,108.01 20.22,108.04 20.09,108.09 19.96,108.14 19.85,108.19 19.74,108.25 19.64,108.32 19.55,108.39 19.46,108.47 19.37,108.55 19.29,108.63 19.21,108.71 19.06,108.87 18.98,108.95 18.9,109.03 18.81,109.11 18.72,109.19 18.63,109.26 18.53,109.32 18.42,109.39 18.31,109.44 18.18,109.49 18.05,109.53 17.9,109.57 17.75,109.59 17.58,109.61 17.39,109.61 16.51,107.86 17.39,106.11 17.58,106.12 17.75,106.14 17.9,106.16 18.05,106.19 18.18,106.24 18.31,106.29 18.42,106.34 18.53,106.4 18.63,106.47 18.72,106.54 18.81,106.62 18.9,106.7 18.98,106.78 19.06,106.86 19.21,107.02 19.29,107.1 19.37,107.18 19.46,107.26 19.55,107.34 19.64,107.41 19.74,107.47 19.85,107.54 19.96,107.59 20.09,107.64 20.22,107.68 20.37,107.72 20.52,107.74 20.69,107.76 20.88,107.76
Net-(K_CapLk1-Pad1) on Top: 37.09,85.31 37.1,85.49 37.12,85.66 37.14,85.82 37.17,85.97 37.22,86.1 37.27,86.22 37.32,86.34 37.38,86.44 37.45,86.54 37.52,86.63 37.6,86.72 37.68,86.8 37.76,86.88 37.84,86.96 38.01,87.12 38.09,87.19 38.17,87.27 38.25,87.36 38.33,87.44 38.4,87.54 38.47,87.63 38.54,87.74 38.59,87.85 38.65,87.98 38.69,88.11 38.73,88.26 38.76,88.41 38.78,88.58 38.79,88.77 37.06,89.69 35.29,88.81 35.3,88.63 35.31,88.46 35.33,88.3 35.37,88.15 35.41,88.02 35.46,87.89 35.51,87.78 35.57,87.67 35.64,87.57 35.71,87.48 35.78,87.39 35.85,87.3 35.93,87.22 36.01,87.14 36.17,86.98 36.25,86.9 36.33,86.82 36.41,86.74 36.48,86.65 36.55,86.55 36.61,86.45 36.67,86.34 36.73,86.23 36.78,86.1 36.82,85.97 36.85,85.82 36.87,85.67 36.89,85.49 36.89,85.31
Net-(K_CapLk1-Pad1) on Top: 36.82,72.85 36.79,72.68 36.75,72.53 36.7,72.4 36.65,72.29 36.58,72.19 36.51,72.1 36.44,72.02 36.36,71.96 36.27,71.9 36.18,71.86 36.08,71.81 35.98,71.78 35.88,71.75 35.77,71.73 35.66,71.7 35.44,71.66 35.32,71.63 35.2,71.6 35.09,71.57 34.97,71.54 34.85,71.5 34.73,71.45 34.61,71.39 34.49,71.32 34.38,71.24 34.26,71.15 34.15,71.05 34.04,70.93 33.94,70.79 34.84,69.06 37.08,69.48 37.1,69.64 37.12,69.79 37.14,69.93 37.14,70.06 37.15,70.19 37.15,70.3 37.15,70.41 37.14,70.52 37.13,70.62 37.12,70.71 37.11,70.8 37.1,70.89 37,71.4 36.99,71.49 36.98,71.58 36.97,71.68 36.96,71.78 36.95,71.88 36.95,71.99 36.95,72.11 36.96,72.23 36.96,72.36 36.98,72.5 37,72.65 37.02,72.81
Net-(K_CapLk1-Pad1) on Top: 36.49,104.36 36.5,104.54 36.52,104.71 36.54,104.87 36.57,105.02 36.62,105.15 36.67,105.27 36.72,105.39 36.78,105.49 36.85,105.59 36.92,105.68 37,105.77 37.08,105.85 37.16,105.93 37.24,106.01 37.41,106.17 37.49,106.24 37.57,106.32 37.65,106.41 37.73,106.49 37.8,106.59 37.87,106.68 37.94,106.79 37.99,106.9 38.05,107.03 38.09,107.16 38.13,107.31 38.16,107.46 38.18,107.63 38.19,107.82 36.46,108.74 34.69,107.86 34.7,107.68 34.71,107.51 34.73,107.35 34.77,107.2 34.81,107.07 34.86,106.94 34.91,106.83 34.97,106.72 35.04,106.62 35.11,106.53 35.18,106.44 35.25,106.35 35.33,106.27 35.41,106.19 35.57,106.03 35.65,105.95 35.73,105.87 35.81,105.79 35.88,105.7 35.95,105.6 36.01,105.5 36.07,105.39 36.13,105.28 36.18,105.15 36.22,105.02 36.25,104.87 36.27,104.72 36.29,104.54 36.29,104.36
Net-(K_CapLk1-Pad1) on Top: 15.29,91.62 15.19,91.47 15.09,91.34 14.99,91.22 14.89,91.12 14.79,91.04 14.69,90.97 14.58,90.91 14.48,90.86 14.37,90.82 14.26,90.79 14.15,90.77 14.04,90.75 13.93,90.74 13.82,90.73 13.48,90.71 13.36,90.7 13.25,90.68 13.13,90.67 13.01,90.64 12.89,90.61 12.77,90.58 12.65,90.53 12.53,90.47 12.41,90.4 12.29,90.32 12.17,90.22 12.04,90.1 11.92,89.97 12.65,88.16 14.73,87.92 14.82,88.07 14.9,88.22 14.96,88.36 15.01,88.5 15.05,88.63 15.08,88.75 15.1,88.87 15.12,88.98 15.13,89.1 15.13,89.2 15.13,89.31 15.12,89.41 15.12,89.52 15.08,89.92 15.07,90.03 15.06,90.13 15.06,90.24 15.07,90.34 15.07,90.46 15.09,90.57 15.11,90.69 15.14,90.81 15.18,90.94 15.24,91.08 15.3,91.22 15.37,91.37 15.46,91.52
Net-(K_CapLk1-Pad1) on Top: 32.95,107.76 33.14,107.76 33.31,107.74 33.46,107.72 33.61,107.68 33.74,107.64 33.87,107.59 33.98,107.54 34.09,107.47 34.19,107.41 34.28,107.34 34.37,107.26 34.46,107.18 34.54,107.1 34.62,107.02 34.77,106.86 34.85,106.78 34.93,106.7 35.02,106.62 35.11,106.54 35.2,106.47 35.3,106.4 35.41,106.34 35.52,106.29 35.65,106.24 35.78,106.19 35.93,106.16 36.08,106.14 36.25,106.12 36.44,106.11 37.31,107.86 36.44,109.61 36.25,109.61 36.08,109.59 35.93,109.57 35.78,109.53 35.65,109.49 35.52,109.44 35.41,109.39 35.3,109.32 35.2,109.26 35.11,109.19 35.02,109.11 34.93,109.03 34.85,108.95 34.77,108.87 34.62,108.71 34.54,108.63 34.46,108.55 34.37,108.47 34.28,108.39 34.19,108.32 34.09,108.25 33.98,108.19 33.87,108.14 33.74,108.09 33.61,108.04 33.46,108.01 33.31,107.99 33.14,107.97 32.95,107.96

## Text on the board
B.Courtyard: K_3 | K_X1 | K_4 | K_C1 | K_5 | K_6
B.Silkscreen: 1
User.Drawings: 1.25U | 1U
F.Fab: SK6812 Mini E
F.Silkscreen: RGB6 | RGB7 | RGB8
